# KiCad board Auckland-LED-Train-Map.kicad_pcb
title: Auckland Train Network Live Map; date: 2025-07-03; rev: 1.1.1; company: Kea Studios; note: ©Chris Dirks; note: GPL-3.0-or-later License
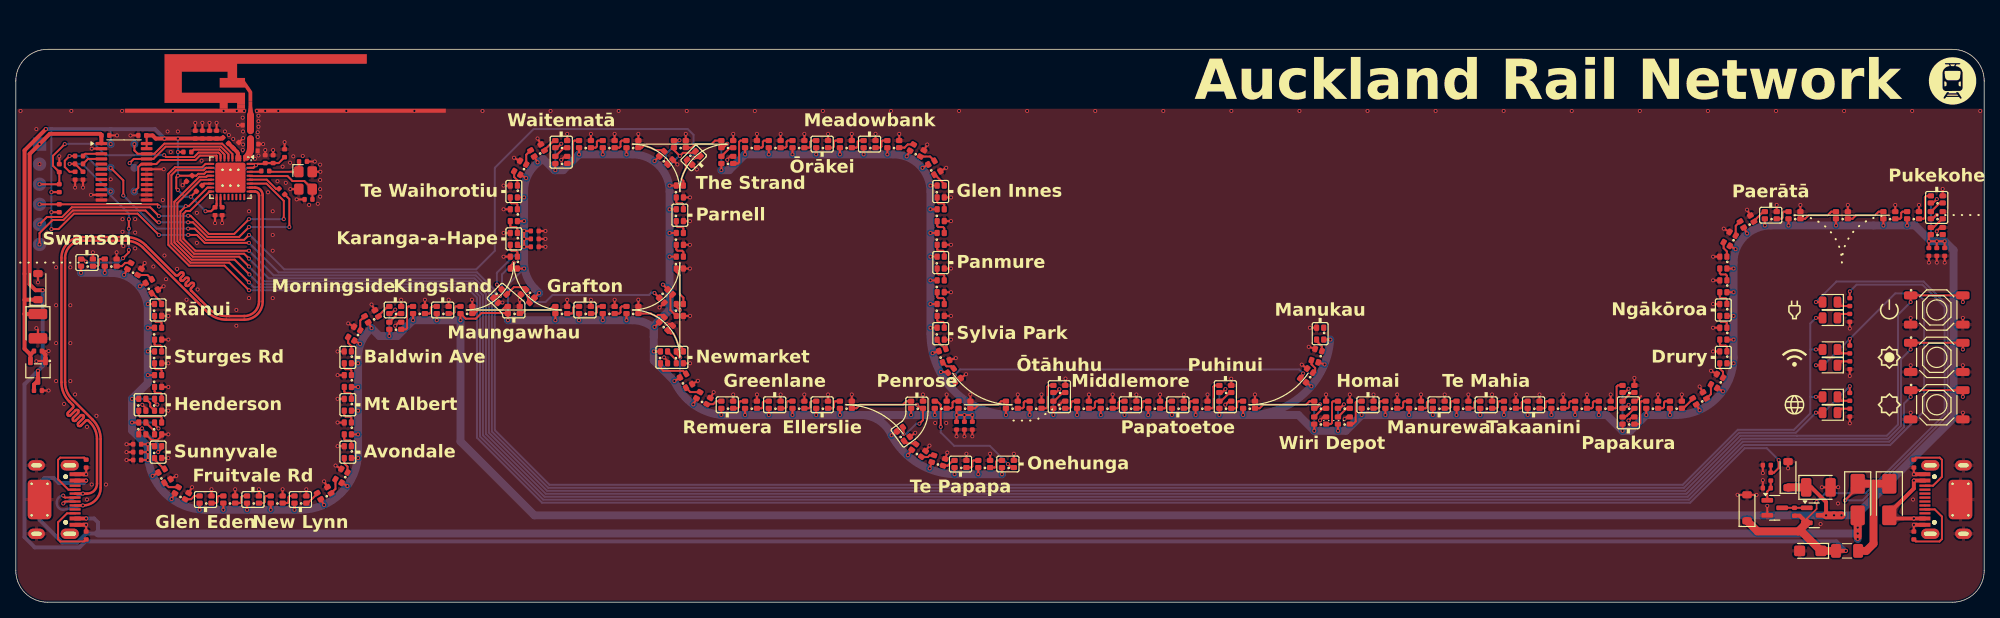
[diagram p0: board, top side]
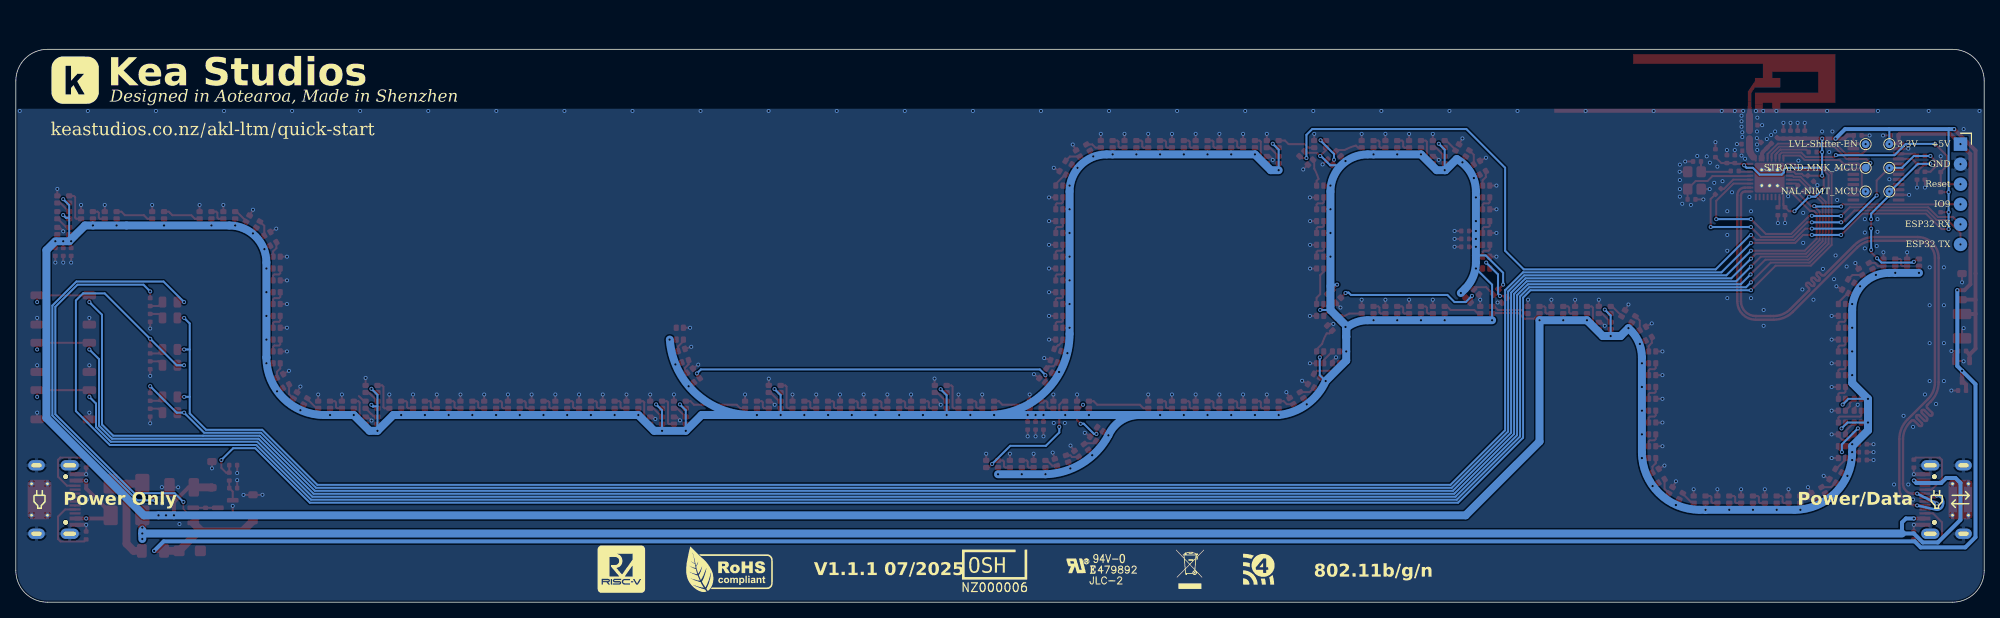
[diagram p1: board, bottom side, seen from below]

Outline 249 x 70 mm; copper layers: Top, Bottom. Coordinates in mm from the lower left corner of the outline.
Outline path: 0,66 arc(1.17,68.83) 4,70 245,70 arc(247.83,68.83) 249,66 249,4 arc(247.83,1.17) 245,0 4,0 arc(1.17,1.17) 0,4 0,66
Stack: Top 0.0152mm / dielectric 0.865mm FR4 er 4.5 / Bottom 0.0152mm

## Placement (name value [footprint] x y rotation side)
AE1  Antenna_Shield  [Inverted_F_Antenna_2.4Ghz_1.0mmPCB_TI_CC2430DB.pretty]  18.82 69.39 0 top
C1  10uF  [C_CASE-A-3216-18(mm)]  227 6.5 180 top
C2  1uF  [C_0402]  2.8 26.8 0 top
C3  1uF  [C_0402]  2.8 31.8 0 top
C4  1uF  [C_0402]  22.7 59.2 90 top
C5  100uF  [C_CASE-B-3528-21(mm)]  2.8 34.95 270 top
C6  1uF  [C_0402]  25.4 59.2 90 top
C7  1uF  [C_0402]  27.85 57.85 45 top
C8  1uF  [C_0402]  24.5 59.2 90 top
C9  1uF  [C_0402]  34 56.85 90 top
C10  1uF  [C_0402]  21.95 53.65 225 top
C11  1uF  [C_0402]  25.2 49.5 270 top
C12  1uF  [C_0402]  31.55 56.1 90 top
C13  1uF  [C_0402]  32.55 56.1 90 top
C14  1uF  [C_0402]  5.5 54.96 90 top
C15  100uF  [C_CASE-B-3528-21(mm)]  228.02 14.54 0 top
C18  1uF  [C_0402]  26.1 49.5 270 top
C19  27pF  [C_0402]  37.03 51 0 top
C20  27pF  [C_0402]  36.33 55.8 0 top
C21  1uF  [C_0402]  11.33 59.1 0 top
C22  1uF  [C_0402]  16 59.1 180 top
C25  1uF  [C_0402]  23.6 59.2 90 top
C26  1uF  [C_0402]  242 44.35 270 top
C27  1uF  [C_0402]  243 44.35 270 top
C28  1uF  [C_0402]  244 44.35 270 top
C29  1uF  [C_0402]  119 22.35 270 top
C30  1uF  [C_0402]  120 22.35 270 top
C31  1uF  [C_0402]  121 22.35 270 top
C35  1uF  [C_0402]  221.5 14.45 180 top
C36  1.5pF  [C_0402]  30.19 58 0 top
C37  1.5pF  [C_0402]  29.19 60.4 180 top
C38  1uF  [C_0402]  15.35 20 180 top
C39  1uF  [C_0402]  15.35 19 180 top
C40  1uF  [C_0402]  15.35 18 180 top
C41  1uF  [C_0402]  65.65 45 0 top
C42  1uF  [C_0402]  65.65 46 0 top
C43  1uF  [C_0402]  65.65 47 0 top
D1  MMSZ5227B  [D_SOD-123]  2.8 39.95 90 top
D2  Red  [D_0805]  229.5 38 180 top
D4  MM1W5V6  [D_SOD-123]  224.19 16.15 90 top
D5  MM1W5V6  [D_SOD-123]  219 11.95 90 top
D6  SS54  [D_SMA]  233 13 270 top
D7  SS54  [D_SMA]  237 13 270 top
D8  Green  [D_0805]  229.5 36 180 top
D9  Green  [D_0805]  229.5 24 180 top
D10  Red  [D_0805]  229.5 26 180 top
D11  Red  [D_0805]  229.5 32 180 top
D12  Green  [D_0805]  229.5 30 180 top
D13  H3V3U10B  [D_DFN1006-2L]  30.2 57.15 180 top
D100  XL-1615RGBC-WS2812B-S  [LED-SMD_4P-L1.6-W1.5_XL-1615RGBC-WS2812B]  9 43 180 top
D101  XL-1615RGBC-WS2812B-S  [LED-SMD_4P-L1.6-W1.5_XL-1615RGBC-WS2812B]  12 43 180 top
D102  XL-1615RGBC-WS2812B-S  [LED-SMD_4P-L1.6-W1.5_XL-1615RGBC-WS2812B]  15 42.2 150 top
D103  XL-1615RGBC-WS2812B-S  [LED-SMD_4P-L1.6-W1.5_XL-1615RGBC-WS2812B]  17.2 40 120 top
D104  XL-1615RGBC-WS2812B-S  [LED-SMD_4P-L1.6-W1.5_XL-1615RGBC-WS2812B]  18 37 90 top
D105  XL-1615RGBC-WS2812B-S  [LED-SMD_4P-L1.6-W1.5_XL-1615RGBC-WS2812B]  18 34 90 top
D106  XL-1615RGBC-WS2812B-S  [LED-SMD_4P-L1.6-W1.5_XL-1615RGBC-WS2812B]  18 31 90 top
D107  XL-1615RGBC-WS2812B-S  [LED-SMD_4P-L1.6-W1.5_XL-1615RGBC-WS2812B]  18 28 90 top
D108  XL-1615RGBC-WS2812B-S  [LED-SMD_4P-L1.6-W1.5_XL-1615RGBC-WS2812B]  18 25 90 top
D109  XL-1615RGBC-WS2812B-S  [LED-SMD_4P-L1.6-W1.5_XL-1615RGBC-WS2812B]  16 25 90 top
D110  XL-1615RGBC-WS2812B-S  [LED-SMD_4P-L1.6-W1.5_XL-1615RGBC-WS2812B]  18 22 90 top
D111  XL-1615RGBC-WS2812B-S  [LED-SMD_4P-L1.6-W1.5_XL-1615RGBC-WS2812B]  16 22 90 top
D112  XL-1615RGBC-WS2812B-S  [LED-SMD_4P-L1.6-W1.5_XL-1615RGBC-WS2812B]  18 19 90 top
D113  XL-1615RGBC-WS2812B-S  [LED-SMD_4P-L1.6-W1.5_XL-1615RGBC-WS2812B]  18.8 16 120 top
D114  XL-1615RGBC-WS2812B-S  [LED-SMD_4P-L1.6-W1.5_XL-1615RGBC-WS2812B]  21 13.8 150 top
D115  XL-1615RGBC-WS2812B-S  [LED-SMD_4P-L1.6-W1.5_XL-1615RGBC-WS2812B]  24 13 180 top
D116  XL-1615RGBC-WS2812B-S  [LED-SMD_4P-L1.6-W1.5_XL-1615RGBC-WS2812B]  27 13 180 top
D117  XL-1615RGBC-WS2812B-S  [LED-SMD_4P-L1.6-W1.5_XL-1615RGBC-WS2812B]  30 13 180 top
D118  XL-1615RGBC-WS2812B-S  [LED-SMD_4P-L1.6-W1.5_XL-1615RGBC-WS2812B]  33 13 180 top
D119  XL-1615RGBC-WS2812B-S  [LED-SMD_4P-L1.6-W1.5_XL-1615RGBC-WS2812B]  36 13 180 top
D120  XL-1615RGBC-WS2812B-S  [LED-SMD_4P-L1.6-W1.5_XL-1615RGBC-WS2812B]  39 13.8 210 top
D121  XL-1615RGBC-WS2812B-S  [LED-SMD_4P-L1.6-W1.5_XL-1615RGBC-WS2812B]  41.2 16 240 top
D122  XL-1615RGBC-WS2812B-S  [LED-SMD_4P-L1.6-W1.5_XL-1615RGBC-WS2812B]  42 19 270 top
D123  XL-1615RGBC-WS2812B-S  [LED-SMD_4P-L1.6-W1.5_XL-1615RGBC-WS2812B]  42 22 270 top
D124  XL-1615RGBC-WS2812B-S  [LED-SMD_4P-L1.6-W1.5_XL-1615RGBC-WS2812B]  42 25 270 top
D125  XL-1615RGBC-WS2812B-S  [LED-SMD_4P-L1.6-W1.5_XL-1615RGBC-WS2812B]  42 28 270 top
D126  XL-1615RGBC-WS2812B-S  [LED-SMD_4P-L1.6-W1.5_XL-1615RGBC-WS2812B]  42 31 270 top
D127  XL-1615RGBC-WS2812B-S  [LED-SMD_4P-L1.6-W1.5_XL-1615RGBC-WS2812B]  42.8 34 240 top
D128  XL-1615RGBC-WS2812B-S  [LED-SMD_4P-L1.6-W1.5_XL-1615RGBC-WS2812B]  45 36.2 210 top
D129  XL-1615RGBC-WS2812B-S  [LED-SMD_4P-L1.6-W1.5_XL-1615RGBC-WS2812B]  48 37 180 top
D130  XL-1615RGBC-WS2812B-S  [LED-SMD_4P-L1.6-W1.5_XL-1615RGBC-WS2812B]  48 35 180 top
D131  XL-1615RGBC-WS2812B-S  [LED-SMD_4P-L1.6-W1.5_XL-1615RGBC-WS2812B]  51 37 180 top
D132  XL-1615RGBC-WS2812B-S  [LED-SMD_4P-L1.6-W1.5_XL-1615RGBC-WS2812B]  54 37 180 top
D133  XL-1615RGBC-WS2812B-S  [LED-SMD_4P-L1.6-W1.5_XL-1615RGBC-WS2812B]  57 37 180 top
D134  XL-1615RGBC-WS2812B-S  [LED-SMD_4P-L1.6-W1.5_XL-1615RGBC-WS2812B]  63 37 180 top
D135  XL-1615RGBC-WS2812B-S  [LED-SMD_4P-L1.6-W1.5_XL-1615RGBC-WS2812B]  69 37 180 top
D136  XL-1615RGBC-WS2812B-S  [LED-SMD_4P-L1.6-W1.5_XL-1615RGBC-WS2812B]  72 37 180 top
D137  XL-1615RGBC-WS2812B-S  [LED-SMD_4P-L1.6-W1.5_XL-1615RGBC-WS2812B]  75 37 180 top
D138  XL-1615RGBC-WS2812B-S  [LED-SMD_4P-L1.6-W1.5_XL-1615RGBC-WS2812B]  78 37 180 top
D139  XL-1615RGBC-WS2812B-S  [LED-SMD_4P-L1.6-W1.5_XL-1615RGBC-WS2812B]  82.24 35.24 135 top
D140  XL-1615RGBC-WS2812B-S  [LED-SMD_4P-L1.6-W1.5_XL-1615RGBC-WS2812B]  84 31 90 top
D141  XL-1615RGBC-WS2812B-S  [LED-SMD_4P-L1.6-W1.5_XL-1615RGBC-WS2812B]  82 31 90 top
D142  XL-1615RGBC-WS2812B-S  [LED-SMD_4P-L1.6-W1.5_XL-1615RGBC-WS2812B]  84.78 28.03 120 top
D143  XL-1615RGBC-WS2812B-S  [LED-SMD_4P-L1.6-W1.5_XL-1615RGBC-WS2812B]  86.98 25.84 150 top
D144  XL-1615RGBC-WS2812B-S  [LED-SMD_4P-L1.6-W1.5_XL-1615RGBC-WS2812B]  90 25 180 top
D145  XL-1615RGBC-WS2812B-S  [LED-SMD_4P-L1.6-W1.5_XL-1615RGBC-WS2812B]  93 25 180 top
D146  XL-1615RGBC-WS2812B-S  [LED-SMD_4P-L1.6-W1.5_XL-1615RGBC-WS2812B]  96 25 180 top
D147  XL-1615RGBC-WS2812B-S  [LED-SMD_4P-L1.6-W1.5_XL-1615RGBC-WS2812B]  99 25 180 top
D148  XL-1615RGBC-WS2812B-S  [LED-SMD_4P-L1.6-W1.5_XL-1615RGBC-WS2812B]  102 25 180 top
D149  XL-1615RGBC-WS2812B-S  [LED-SMD_4P-L1.6-W1.5_XL-1615RGBC-WS2812B]  105 25 180 top
D150  XL-1615RGBC-WS2812B-S  [LED-SMD_4P-L1.6-W1.5_XL-1615RGBC-WS2812B]  114 25 180 top
D151  XL-1615RGBC-WS2812B-S  [LED-SMD_4P-L1.6-W1.5_XL-1615RGBC-WS2812B]  112.28 21.29 126 top
D152  XL-1615RGBC-WS2812B-S  [LED-SMD_4P-L1.6-W1.5_XL-1615RGBC-WS2812B]  114.21 19.22 144 top
D153  XL-1615RGBC-WS2812B-S  [LED-SMD_4P-L1.6-W1.5_XL-1615RGBC-WS2812B]  116.72 17.94 162 top
D154  XL-1615RGBC-WS2812B-S  [LED-SMD_4P-L1.6-W1.5_XL-1615RGBC-WS2812B]  119.5 17.5 180 top
D155  XL-1615RGBC-WS2812B-S  [LED-SMD_4P-L1.6-W1.5_XL-1615RGBC-WS2812B]  122.5 17.5 180 top
D156  XL-1615RGBC-WS2812B-S  [LED-SMD_4P-L1.6-W1.5_XL-1615RGBC-WS2812B]  125.5 17.5 180 top
D157  XL-1615RGBC-WS2812B-S  [LED-SMD_4P-L1.6-W1.5_XL-1615RGBC-WS2812B]  117 25 180 top
D158  XL-1615RGBC-WS2812B-S  [LED-SMD_4P-L1.6-W1.5_XL-1615RGBC-WS2812B]  120 25 180 top
D159  XL-1615RGBC-WS2812B-S  [LED-SMD_4P-L1.6-W1.5_XL-1615RGBC-WS2812B]  126 25 180 top
D160  XL-1615RGBC-WS2812B-S  [LED-SMD_4P-L1.6-W1.5_XL-1615RGBC-WS2812B]  129 25 180 top
D161  XL-1615RGBC-WS2812B-S  [LED-SMD_4P-L1.6-W1.5_XL-1615RGBC-WS2812B]  132 27 180 top
D162  XL-1615RGBC-WS2812B-S  [LED-SMD_4P-L1.6-W1.5_XL-1615RGBC-WS2812B]  132 25 180 top
D163  XL-1615RGBC-WS2812B-S  [LED-SMD_4P-L1.6-W1.5_XL-1615RGBC-WS2812B]  135 25 180 top
D164  XL-1615RGBC-WS2812B-S  [LED-SMD_4P-L1.6-W1.5_XL-1615RGBC-WS2812B]  138 25 180 top
D165  XL-1615RGBC-WS2812B-S  [LED-SMD_4P-L1.6-W1.5_XL-1615RGBC-WS2812B]  141 25 180 top
D166  XL-1615RGBC-WS2812B-S  [LED-SMD_4P-L1.6-W1.5_XL-1615RGBC-WS2812B]  144 25 180 top
D167  XL-1615RGBC-WS2812B-S  [LED-SMD_4P-L1.6-W1.5_XL-1615RGBC-WS2812B]  147 25 180 top
D168  XL-1615RGBC-WS2812B-S  [LED-SMD_4P-L1.6-W1.5_XL-1615RGBC-WS2812B]  150 25 180 top
D169  XL-1615RGBC-WS2812B-S  [LED-SMD_4P-L1.6-W1.5_XL-1615RGBC-WS2812B]  153 27 180 top
D170  XL-1615RGBC-WS2812B-S  [LED-SMD_4P-L1.6-W1.5_XL-1615RGBC-WS2812B]  153 25 180 top
D171  XL-1615RGBC-WS2812B-S  [LED-SMD_4P-L1.6-W1.5_XL-1615RGBC-WS2812B]  156 25 180 top
D172  XL-1615RGBC-WS2812B-S  [LED-SMD_4P-L1.6-W1.5_XL-1615RGBC-WS2812B]  165 25 180 top
D173  XL-1615RGBC-WS2812B-S  [LED-SMD_4P-L1.6-W1.5_XL-1615RGBC-WS2812B]  165 23 180 top
D174  XL-1615RGBC-WS2812B-S  [LED-SMD_4P-L1.6-W1.5_XL-1615RGBC-WS2812B]  168 25 180 top
D175  XL-1615RGBC-WS2812B-S  [LED-SMD_4P-L1.6-W1.5_XL-1615RGBC-WS2812B]  168 23 180 top
D176  XL-1615RGBC-WS2812B-S  [LED-SMD_4P-L1.6-W1.5_XL-1615RGBC-WS2812B]  171 25 180 top
D177  XL-1615RGBC-WS2812B-S  [LED-SMD_4P-L1.6-W1.5_XL-1615RGBC-WS2812B]  174 25 180 top
D178  XL-1615RGBC-WS2812B-S  [LED-SMD_4P-L1.6-W1.5_XL-1615RGBC-WS2812B]  177 25 180 top
D179  XL-1615RGBC-WS2812B-S  [LED-SMD_4P-L1.6-W1.5_XL-1615RGBC-WS2812B]  180 25 180 top
D180  XL-1615RGBC-WS2812B-S  [LED-SMD_4P-L1.6-W1.5_XL-1615RGBC-WS2812B]  183 25 180 top
D181  XL-1615RGBC-WS2812B-S  [LED-SMD_4P-L1.6-W1.5_XL-1615RGBC-WS2812B]  186 25 180 top
D182  XL-1615RGBC-WS2812B-S  [LED-SMD_4P-L1.6-W1.5_XL-1615RGBC-WS2812B]  189 25 180 top
D183  XL-1615RGBC-WS2812B-S  [LED-SMD_4P-L1.6-W1.5_XL-1615RGBC-WS2812B]  192 25 180 top
D184  XL-1615RGBC-WS2812B-S  [LED-SMD_4P-L1.6-W1.5_XL-1615RGBC-WS2812B]  195 25 180 top
D185  XL-1615RGBC-WS2812B-S  [LED-SMD_4P-L1.6-W1.5_XL-1615RGBC-WS2812B]  198 25 180 top
D186  XL-1615RGBC-WS2812B-S  [LED-SMD_4P-L1.6-W1.5_XL-1615RGBC-WS2812B]  201 25 180 top
D187  XL-1615RGBC-WS2812B-S  [LED-SMD_4P-L1.6-W1.5_XL-1615RGBC-WS2812B]  204 27 180 top
D188  XL-1615RGBC-WS2812B-S  [LED-SMD_4P-L1.6-W1.5_XL-1615RGBC-WS2812B]  204 25 180 top
D189  XL-1615RGBC-WS2812B-S  [LED-SMD_4P-L1.6-W1.5_XL-1615RGBC-WS2812B]  204 23 180 top
D190  XL-1615RGBC-WS2812B-S  [LED-SMD_4P-L1.6-W1.5_XL-1615RGBC-WS2812B]  207 25 180 top
D191  XL-1615RGBC-WS2812B-S  [LED-SMD_4P-L1.6-W1.5_XL-1615RGBC-WS2812B]  210 25 180 top
D192  XL-1615RGBC-WS2812B-S  [LED-SMD_4P-L1.6-W1.5_XL-1615RGBC-WS2812B]  213 25.8 210 top
D193  XL-1615RGBC-WS2812B-S  [LED-SMD_4P-L1.6-W1.5_XL-1615RGBC-WS2812B]  215.2 28 240 top
D194  XL-1615RGBC-WS2812B-S  [LED-SMD_4P-L1.6-W1.5_XL-1615RGBC-WS2812B]  216 31 270 top
D195  XL-1615RGBC-WS2812B-S  [LED-SMD_4P-L1.6-W1.5_XL-1615RGBC-WS2812B]  216 34 270 top
D196  XL-1615RGBC-WS2812B-S  [LED-SMD_4P-L1.6-W1.5_XL-1615RGBC-WS2812B]  216 37 270 top
D197  XL-1615RGBC-WS2812B-S  [LED-SMD_4P-L1.6-W1.5_XL-1615RGBC-WS2812B]  216 40 270 top
D198  XL-1615RGBC-WS2812B-S  [LED-SMD_4P-L1.6-W1.5_XL-1615RGBC-WS2812B]  216 43 270 top
D199  XL-1615RGBC-WS2812B-S  [LED-SMD_4P-L1.6-W1.5_XL-1615RGBC-WS2812B]  216.8 46 240 top
D200  XL-1615RGBC-WS2812B-S  [LED-SMD_4P-L1.6-W1.5_XL-1615RGBC-WS2812B]  219 48.2 210 top
D201  XL-1615RGBC-WS2812B-S  [LED-SMD_4P-L1.6-W1.5_XL-1615RGBC-WS2812B]  222 49 180 top
D202  XL-1615RGBC-WS2812B-S  [LED-SMD_4P-L1.6-W1.5_XL-1615RGBC-WS2812B]  225 49 180 top
D203  XL-1615RGBC-WS2812B-S  [LED-SMD_4P-L1.6-W1.5_XL-1615RGBC-WS2812B]  231 49 180 top
D204  XL-1615RGBC-WS2812B-S  [LED-SMD_4P-L1.6-W1.5_XL-1615RGBC-WS2812B]  237 49 180 top
D205  XL-1615RGBC-WS2812B-S  [LED-SMD_4P-L1.6-W1.5_XL-1615RGBC-WS2812B]  240 49 180 top
D206  XL-1615RGBC-WS2812B-S  [LED-SMD_4P-L1.6-W1.5_XL-1615RGBC-WS2812B]  243 51 180 top
D207  XL-1615RGBC-WS2812B-S  [LED-SMD_4P-L1.6-W1.5_XL-1615RGBC-WS2812B]  243 49 180 top
D208  XL-1615RGBC-WS2812B-S  [LED-SMD_4P-L1.6-W1.5_XL-1615RGBC-WS2812B]  243 47 180 top
D300  XL-1615RGBC-WS2812B-S  [LED-SMD_4P-L1.6-W1.5_XL-1615RGBC-WS2812B]  85.76 56.24 45 top
D301  XL-1615RGBC-WS2812B-S  [LED-SMD_4P-L1.6-W1.5_XL-1615RGBC-WS2812B]  84 52 90 top
D302  XL-1615RGBC-WS2812B-S  [LED-SMD_4P-L1.6-W1.5_XL-1615RGBC-WS2812B]  84 49 90 top
D303  XL-1615RGBC-WS2812B-S  [LED-SMD_4P-L1.6-W1.5_XL-1615RGBC-WS2812B]  84 46 90 top
D304  XL-1615RGBC-WS2812B-S  [LED-SMD_4P-L1.6-W1.5_XL-1615RGBC-WS2812B]  84 43 90 top
D305  XL-1615RGBC-WS2812B-S  [LED-SMD_4P-L1.6-W1.5_XL-1615RGBC-WS2812B]  84 37 90 top
D306  XL-1615RGBC-WS2812B-S  [LED-SMD_4P-L1.6-W1.5_XL-1615RGBC-WS2812B]  82.24 38.76 45 top
D307  XL-1615RGBC-WS2812B-S  [LED-SMD_4P-L1.6-W1.5_XL-1615RGBC-WS2812B]  64.76 38.76 315 top
D308  XL-1615RGBC-WS2812B-S  [LED-SMD_4P-L1.6-W1.5_XL-1615RGBC-WS2812B]  61.24 38.76 45 top
D309  XL-1615RGBC-WS2812B-S  [LED-SMD_4P-L1.6-W1.5_XL-1615RGBC-WS2812B]  63 43 270 top
D310  XL-1615RGBC-WS2812B-S  [LED-SMD_4P-L1.6-W1.5_XL-1615RGBC-WS2812B]  63 46 270 top
D311  XL-1615RGBC-WS2812B-S  [LED-SMD_4P-L1.6-W1.5_XL-1615RGBC-WS2812B]  63 49 270 top
D312  XL-1615RGBC-WS2812B-S  [LED-SMD_4P-L1.6-W1.5_XL-1615RGBC-WS2812B]  63 52 270 top
D313  XL-1615RGBC-WS2812B-S  [LED-SMD_4P-L1.6-W1.5_XL-1615RGBC-WS2812B]  63.8 55 240 top
D314  XL-1615RGBC-WS2812B-S  [LED-SMD_4P-L1.6-W1.5_XL-1615RGBC-WS2812B]  66 57.2 210 top
D315  XL-1615RGBC-WS2812B-S  [LED-SMD_4P-L1.6-W1.5_XL-1615RGBC-WS2812B]  69 58 180 top
D316  XL-1615RGBC-WS2812B-S  [LED-SMD_4P-L1.6-W1.5_XL-1615RGBC-WS2812B]  69 56 180 top
D317  XL-1615RGBC-WS2812B-S  [LED-SMD_4P-L1.6-W1.5_XL-1615RGBC-WS2812B]  72 58 180 top
D318  XL-1615RGBC-WS2812B-S  [LED-SMD_4P-L1.6-W1.5_XL-1615RGBC-WS2812B]  75 58 180 top
D319  XL-1615RGBC-WS2812B-S  [LED-SMD_4P-L1.6-W1.5_XL-1615RGBC-WS2812B]  78 58 180 top
D320  XL-1615RGBC-WS2812B-S  [LED-SMD_4P-L1.6-W1.5_XL-1615RGBC-WS2812B]  82.24 56.24 135 top
D321  XL-1615RGBC-WS2812B-S  [LED-SMD_4P-L1.6-W1.5_XL-1615RGBC-WS2812B]  84 58 180 top
D322  XL-1615RGBC-WS2812B-S  [LED-SMD_4P-L1.6-W1.5_XL-1615RGBC-WS2812B]  90 58 180 top
D323  XL-1615RGBC-WS2812B-S  [LED-SMD_4P-L1.6-W1.5_XL-1615RGBC-WS2812B]  90 56 180 top
D324  XL-1615RGBC-WS2812B-S  [LED-SMD_4P-L1.6-W1.5_XL-1615RGBC-WS2812B]  93 58 180 top
D325  XL-1615RGBC-WS2812B-S  [LED-SMD_4P-L1.6-W1.5_XL-1615RGBC-WS2812B]  96 58 180 top
D326  XL-1615RGBC-WS2812B-S  [LED-SMD_4P-L1.6-W1.5_XL-1615RGBC-WS2812B]  99 58 180 top
D327  XL-1615RGBC-WS2812B-S  [LED-SMD_4P-L1.6-W1.5_XL-1615RGBC-WS2812B]  102 58 180 top
D328  XL-1615RGBC-WS2812B-S  [LED-SMD_4P-L1.6-W1.5_XL-1615RGBC-WS2812B]  105 58 180 top
D329  XL-1615RGBC-WS2812B-S  [LED-SMD_4P-L1.6-W1.5_XL-1615RGBC-WS2812B]  108 58 180 top
D330  XL-1615RGBC-WS2812B-S  [LED-SMD_4P-L1.6-W1.5_XL-1615RGBC-WS2812B]  111 58 180 top
D331  XL-1615RGBC-WS2812B-S  [LED-SMD_4P-L1.6-W1.5_XL-1615RGBC-WS2812B]  114 57.2 150 top
D332  XL-1615RGBC-WS2812B-S  [LED-SMD_4P-L1.6-W1.5_XL-1615RGBC-WS2812B]  116.2 55 120 top
D333  XL-1615RGBC-WS2812B-S  [LED-SMD_4P-L1.6-W1.5_XL-1615RGBC-WS2812B]  117 52 90 top
D334  XL-1615RGBC-WS2812B-S  [LED-SMD_4P-L1.6-W1.5_XL-1615RGBC-WS2812B]  117 49 90 top
D335  XL-1615RGBC-WS2812B-S  [LED-SMD_4P-L1.6-W1.5_XL-1615RGBC-WS2812B]  117 46 90 top
D336  XL-1615RGBC-WS2812B-S  [LED-SMD_4P-L1.6-W1.5_XL-1615RGBC-WS2812B]  117 43 90 top
D337  XL-1615RGBC-WS2812B-S  [LED-SMD_4P-L1.6-W1.5_XL-1615RGBC-WS2812B]  117 40 90 top
D338  XL-1615RGBC-WS2812B-S  [LED-SMD_4P-L1.6-W1.5_XL-1615RGBC-WS2812B]  117 37 90 top
D339  XL-1615RGBC-WS2812B-S  [LED-SMD_4P-L1.6-W1.5_XL-1615RGBC-WS2812B]  117 34 90 top
D340  XL-1615RGBC-WS2812B-S  [LED-SMD_4P-L1.6-W1.5_XL-1615RGBC-WS2812B]  117.44 31.22 108 top
D341  XL-1615RGBC-WS2812B-S  [LED-SMD_4P-L1.6-W1.5_XL-1615RGBC-WS2812B]  118.72 28.71 126 top
D342  XL-1615RGBC-WS2812B-S  [LED-SMD_4P-L1.6-W1.5_XL-1615RGBC-WS2812B]  163.28 28.71 234 top
D343  XL-1615RGBC-WS2812B-S  [LED-SMD_4P-L1.6-W1.5_XL-1615RGBC-WS2812B]  164.56 31.22 252 top
D344  XL-1615RGBC-WS2812B-S  [LED-SMD_4P-L1.6-W1.5_XL-1615RGBC-WS2812B]  165 34 270 top
F1  Polyfuse, 2A  [Fuse_1206_3216Metric]  231.65 6.5 180 top
G***  LOGO  [Brightness_7]  237 31 0 top
G***#2  -  [LOGO]  240.63 66.1 0 top
G***#3  LOGO  [Brightness_0]  237 25 0 top
G***#4  LOGO  [Mode_Off_ON]  237 37 0 top
G***#5  -  [LOGO]  225 25 0 top
G***#6  -  [LOGO]  245 66 0 top
G***#7  LOGO  [Power]  225 37 0 top
G***#8  LOGO  [WiFi]  225 31 0 top
G***#9  LOGO  [Power]  6 13 180 bottom
G***#10  -  [LOGO]  158.76 4.22 180 bottom
G***#11  LOGO  [Power]  246 13 180 bottom
G***#12  -  [LOGO]  112.04 4.18 180 bottom
G***#13  -  [LOGO]  100.46 4.18 180 bottom
G***#14  -  [LOGO]  91.76 4.18 180 bottom
G***#15  -  [LOGO]  3 13 0 bottom
J1  -  [Prog Connector]  3 58 0 top
L1  2.7nH  [L_0402]  29.69 59.2 90 top
L3  2.7nH  [L_0402]  26.55 58.45 315 top
L5  15nH,300mA  [L_0402]  31.55 54.6 180 top
LOGO1  ~  [OSHW-Certification-Mark-Stacked_8x7mm_SilkMask]  125.18 4.21 180 bottom
Q1  HL3415A  [Q_SOT-23]  227.5 11 0 top
Q2  MMBT3904  [Q_SOT-23]  222.5 11.95 0 top
R1  10kΩ  [R_0402]  5.5 49.88 90 top
R2  10kΩ  [R_0402]  23.2 52.4 45 top
R3  10kΩ  [R_0402]  21.7 57 0 top
R4  10kΩ  [R_0402]  5.5 52.42 90 top
R7  510Ω  [R_0402]  33.65 52 135 top
R8  10kΩ  [R_0402]  232 26 270 top
R9  100kΩ  [R_0402]  232 36 270 top
R10  100Ω  [R_0402]  8 55.5 0 top
R12  10kΩ  [R_0402]  232 38 90 top
R13  5.1kΩ  [R_0402]  8.9 17.55 270 top
R14  5.1kΩ  [R_0402]  8.9 8.45 90 top
R15  100Ω  [R_0402]  8 56.5 0 top
R16  100kΩ  [R_0402]  225 11.45 90 top
R17  10kΩ  [R_0402]  221.5 17.35 180 top
R18  510Ω  [R_0402]  222 15.9 270 top
R19  5.1kΩ  [R_0402]  240.1 17.55 270 top
R20  5.1kΩ  [R_0402]  240.1 8.45 90 top
R21  10kΩ  [R_0402]  232 32 270 top
R22  100kΩ  [R_0402]  232 24 270 top
R23  100kΩ  [R_0402]  232 30 270 top
R24  100kΩ  [R_0402]  8.5 54 270 top
R25  100kΩ  [R_0402]  7.5 54 270 top
S1  Tactile Button, 160gf  [SW-SMD_4P-L5.1-W5.1-P3.70-LS6.5-TL-2]  243 37 0 top
S2  Tactile Button, 160gf  [SW-SMD_4P-L5.1-W5.1-P3.70-LS6.5-TL-2]  243 31 0 top
S3  Tactile Button, 160gf  [SW-SMD_4P-L5.1-W5.1-P3.70-LS6.5-TL-2]  243 25 0 top
TP2  NAL-NIMT_MCU  [TestPoint_Pad_D1.0mm]  15 52 0 bottom
TP3  NAL-NIMT_LED  [TestPoint_Pad_D1.0mm]  12 52 0 bottom
TP8  STRAND-MNK_MCU  [TestPoint_Pad_D1.0mm]  15 55 0 bottom
TP9  STRAND-MNK_LED  [TestPoint_Pad_D1.0mm]  12 55 0 bottom
TP13  3.3V  [TestPoint_Pad_D1.0mm]  12 58 180 bottom
TP15  LVL-Shifter-EN  [TestPoint_Pad_D1.0mm]  15 58 180 bottom
U1  XC6206P332MR  [SOT-23-3_L2.9-W1.6-P1.90-LS2.8-BR]  2.8 29.3 90 top
U2  ESP32-C3FH4  [QFN-32-1EP_5x5mm_P0.5mm_EP3.7x3.7mm_ThermalVias]  27.15 53.75 270 top
U3  SN74LVC4245APWR  [TSSOP-24_4.4x7.8mm_P0.65mm]  13.69 54.5 0 top
U4  Connector, USB-TYPE-C-16P  [TYPE-C-SMD_HX-TYPE-C-16PIN]  5 13 270 top
U5  Connector, USB-TYPE-C-16P  [TYPE-C-SMD_HX-TYPE-C-16PIN]  244 13 90 top
X1  40MHz, 15pF  [OSC-SMD_4P-L3.2-W2.5-BL_SIT8008BI]  36.65 53.4 270 top

## Library data of the parts
AE1 = -: Description: Antenna with extra pin for shielding
C1 = -: Datasheet: https://www.lcsc.com/datasheet/lcsc_datasheet_2304140030_Kyocera-AVX-TAJA106K016RNJ_C7171.pdf; Description: 10uF 16V 3Ω@100kHz ±10% CASE-A-3216-18(mm) Tantalum Capacitors ROHS; LCSC: C7171; Stock: 1320174; Price: 0.151USD; Process: SMT; Minimum Qty: 5; Attrition Qty: 2; Class: Basic Component; Category: Capacitors,Tantalum Capacitors; Manufacturer: AVX; Part: TAJA106K016RNJ; Operating Temperature: -55°C~+125°C; Equivalent Series Resistance(ESR): 3Ω@100kHz; Tolerance: ±10%; Rated Voltage: 16V; ki_fp_filters: C_*
C2-C4 C6 C8-C14 C25 = -: Datasheet: https://www.lcsc.com/datasheet/lcsc_datasheet_2304140030_Samsung-Electro-Mechanics-CL05A105KA5NQNC_C52923.pdf; Description: 25V 1uF X5R ±10% 0402 Multilayer Ceramic Capacitors MLCC - SMD/SMT ROHS; LCSC: C52923; Price: 0.006USD; Class: Basic Component; Stock: 9606588; Category: Capacitors,Multilayer Ceramic Capacitors MLCC - SMD/SMT; Manufacturer: Samsung Electro-Mechanics; Voltage Rated: 25V; Tolerance: ±10%; Temperature Coefficient: X5R; Process: SMT; Minimum Qty: 20; Attrition Qty: 10; Part: CL05A105KA5NQNC; ki_fp_filters: C_*
C5 C15 = -: Datasheet: https://www.lcsc.com/datasheet/lcsc_datasheet_2111161030_Kyocera-AVX-TAJB107K006RNJ_C16133.pdf; Description: 100uF 6.3V 1.7Ω@100kHz ±10% CASE-B-3528-21(mm) Tantalum Capacitors ROHS; LCSC: C16133; Stock: 285940; Price: 0.161USD; Process: SMT; Minimum Qty: 5; Attrition Qty: 2; Class: Basic Component; Category: Capacitors,Tantalum Capacitors; Manufacturer: AVX; Part: TAJB107K006RNJ; Operating Temperature: -55°C~+125°C; Equivalent Series Resistance(ESR): 1.7Ω@100kHz; Tolerance: ±10%; Rated Voltage: 6.3V; ki_fp_filters: C_*
C7 = -: Datasheet: https://www.lcsc.com/datasheet/lcsc_datasheet_2304140030_Samsung-Electro-Mechanics-CL05A105KA5NQNC_C52923.pdf; Description: 25V 1uF X5R ±10% 0402 Multilayer Ceramic Capacitors MLCC - SMD/SMT ROHS; LCSC: C52923; Stock: 11900601; Price: 0.006USD; Process: SMT; Minimum Qty: 20; Attrition Qty: 10; Class: Basic Component; Category: Capacitors,Multilayer Ceramic Capacitors MLCC - SMD/SMT; Manufacturer: Samsung Electro-Mechanics; Part: CL05A105KA5NQNC; Voltage Rated: 25V; Tolerance: ±10%; Temperature Coefficient: X5R; ki_fp_filters: C_*
C18 = -: Datasheet: https://www.lcsc.com/datasheet/lcsc_datasheet_2304140030_Samsung-Electro-Mechanics-CL05A105KA5NQNC_C52923.pdf; Description: 25V 1uF X5R ±10% 0402 Multilayer Ceramic Capacitors MLCC - SMD/SMT ROHS; LCSC: C52923; Price: 0.006USD; Class: Basic Component; Stock: 6607844; Category: Capacitors,Multilayer Ceramic Capacitors MLCC - SMD/SMT; Manufacturer: Samsung Electro-Mechanics; Voltage Rated: 25V; Tolerance: ±10%; Temperature Coefficient: X5R; Process: SMT; Minimum Qty: 20; Attrition Qty: 10; Part: CL05A105KA5NQNC; ki_fp_filters: C_*
C19 C20 = -: Datasheet: https://www.lcsc.com/datasheet/lcsc_datasheet_2304140030_FH--Guangdong-Fenghua-Advanced-Tech-0402CG270J500NT_C1557.pdf; Description: 50V 27pF C0G ±5% 0402 Multilayer Ceramic Capacitors MLCC - SMD/SMT ROHS; LCSC: C1557; Stock: 63584; Price: 0.004USD; Process: SMT; Minimum Qty: 20; Attrition Qty: 10; Class: Preferred Component; Category: Capacitors,Multilayer Ceramic Capacitors MLCC - SMD/SMT; Manufacturer: FH(Guangdong Fenghua Advanced Tech); Part: 0402CG270J500NT; Voltage Rated: 50V; Tolerance: ±5%; Temperature Coefficient: C0G; ki_fp_filters: C_*
C21 C22 C26-C31 C38-C43 = -: Datasheet: https://www.lcsc.com/datasheet/lcsc_datasheet_2304140030_Samsung-Electro-Mechanics-CL05A105KA5NQNC_C52923.pdf; Description: 25V 1uF X5R ±10% 0402 Multilayer Ceramic Capacitors MLCC - SMD/SMT ROHS; LCSC: C52923; Stock: 9606588; Price: 0.006USD; Process: SMT; Minimum Qty: 20; Attrition Qty: 10; Class: Basic Component; Category: Capacitors,Multilayer Ceramic Capacitors MLCC - SMD/SMT; Manufacturer: Samsung Electro-Mechanics; Part: CL05A105KA5NQNC; Voltage Rated: 25V; Tolerance: ±10%; Temperature Coefficient: X5R; ki_fp_filters: C_*